# Altium PCB waffling60-MXHS-ISO.PcbDoc (part 2 of 2)
Units mm, origin at the board's own origin, x right, y up, seen from the top; angles counter-clockwise.
Board outline 284.73 x 94.2 mm, 2 copper layers (Component Side, Bottom Layer), stack 1.571 mm thick; 170 components, 111 nets, 1506 pads, 141 vias.
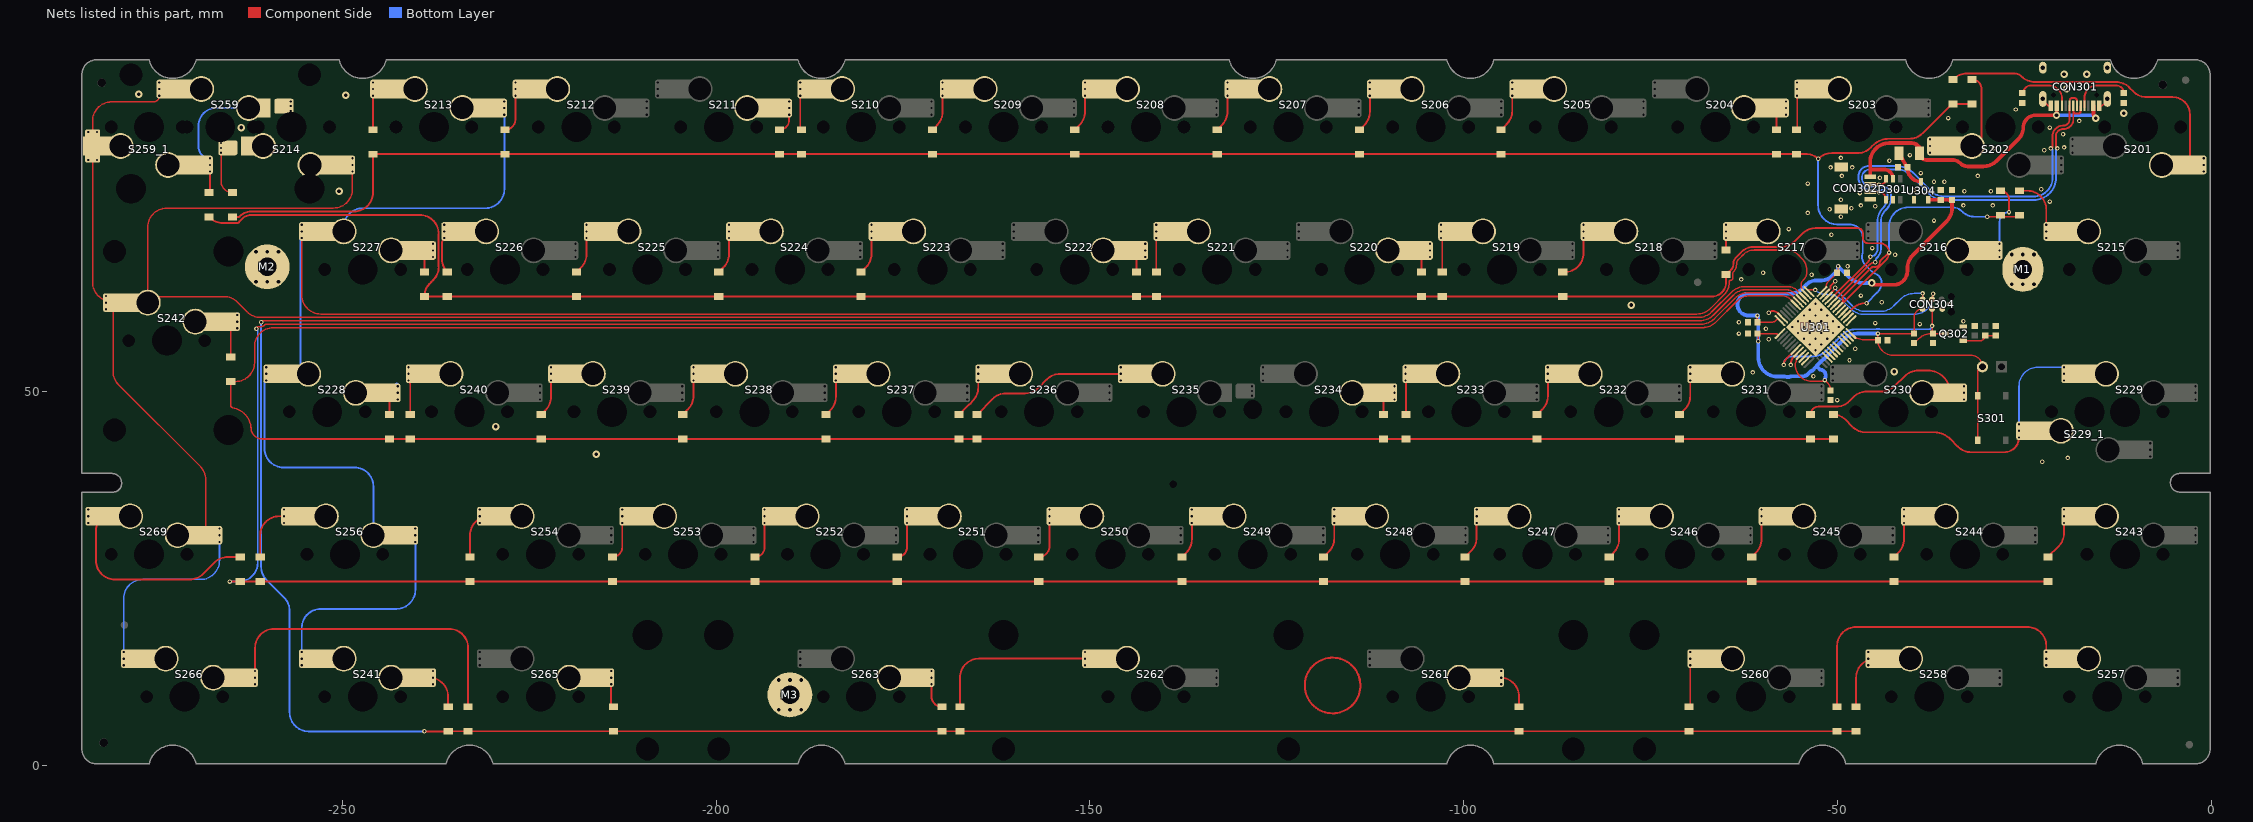
[diagram p2: the nets of this part, all layers, seen from the top]

## Via types
v1: diameter 0.6, hole 0.3, Component Side to Bottom Layer, tented both sides, 99 vias
v2: diameter 0.6, hole 0.3, Component Side to Bottom Layer, tented bottom, 25 vias
v3: diameter 1, hole 0.5, Component Side to Bottom Layer, tented both sides, 17 vias

## Nets (pads, with @x,y where several pads share a name; then routed paths per layer and width w, separated by ;. In a path a pad name is that pad's centre, name@x,y a point inside that pad or via, vN(x,y) a via of type N, cw(c..) or ccw(c..) an arc to the next point about the centre after c; other vN are vias at no path point) (continued)
col13: S213.2 S227.2 S228.2 S241.1 S256.2 U301.38 | length 347
  Component Side w0.203: S227.2@-255.597,71.443 -253.565,71.443 S227.2@-253.565,71.445 ; S227.2@-255.425,70.556 -255.425,62.939 ccw(c-252.885,62.939) -252.885,60.399 -68.796,60.399 ccw(c-68.796,62.939) -67,61.143 -65.024,63.119 cw(c-64.839,63.035) -64.997,63.163 ccw(c-66.813,64.646) -64.468,64.646 -64.468,64.717 cw(c-64.265,64.716) -64.275,64.919 ccw(c-64.287,65.22) -63.985,65.22 -63.985,65.907 ; -63.933,66.017 ccw(c-64.981,67.063) -63.929,66.021 ccw(c-64.981,67.063) -63.5,67.063 cw(c-62.598,67.063) -63.235,67.702 -63.052,67.885 -62.596,68.341 cw(c-61.101,66.85) -61.101,68.961 -56.79,68.961 cw(c-56.79,66.781) -55.249,68.322 -54.728,67.802 cw(c-56.24,66.29) -54.102,66.29 -54.102,65.944 cw(c-55.403,65.944) -54.483,65.024 -54.562,64.945 ccw(c-53.835,64.217) -54.864,64.217 ccw(c-53.771,64.217) -54.835,63.966 cw(c-55.033,63.92) -54.831,63.942 ccw(c-54.382,63.989) -54.746,63.722 cw(c-54.911,63.603) -54.745,63.72 -54.741,63.713 -54.736,63.702 cw(c-54.92,63.616) -54.72,63.651 -54.722,63.648 -54.723,63.647 -54.735,63.635 U301.38@-54.596,63.522
  Bottom Layer w0.254: S228.2@-260.162,51.506 ccw(c-260.162,51.264) -260.404,51.264 -260.404,42.418 ccw(c-257.864,42.418) -257.864,39.878 -248.385,39.878 cw(c-248.385,37.338) -245.845,37.338 S256.2@-245.845,30.805 ; S241.1@-255.424,15.184 -255.424,18.415 cw(c-252.884,18.415) -252.884,20.955 -242.775,20.955 ccw(c-242.775,23.495) -240.235,23.495 S256.2@-240.235,29.916 ; S227.2@-255.425,71.617 -255.597,71.445 -255.597,53.44 ccw(c-254.552,53.44) S228.2@-254.552,52.395 ; S227.2@-249.815,71.445 -249.815,72.009 cw(c-247.275,72.009) -247.275,74.549 -230.87,74.549 ccw(c-230.87,77.089) -228.33,77.089 S213.2@-228.33,87.066
  Bottom Layer w0.6: S228.2@-260.162,51.506 S228.2@-260.162,52.395 S228.2@-260.162,53.284 ; S241.1@-255.424,13.406 S241.1@-255.424,14.295 S241.1@-255.424,15.184 ; S227.2@-255.425,70.556 S227.2@-255.425,71.445 S227.2@-255.425,72.334 S227.2@-255.425,71.617 ; S256.2@-240.235,29.916 S256.2@-240.235,30.805 S256.2@-240.235,31.694 ; S213.2@-228.33,87.066 S213.2@-228.33,87.955 S213.2@-228.33,88.844
col14: S214.1 S242.2 S259.1 S259_1.2 S266.2 S269.2 U301.39 | length 379.1
  Component Side w0.203: S242.2@-279.731,62.992 -279.731,62.729 ccw(c-277.23,62.287) -279.77,62.287 S242.2@-279.77,62.103 ; S259.1@-274.475,89.606 cw(c-275.308,89.606) -275.308,88.773 -280.87,88.773 ccw(c-280.87,86.233) -283.41,86.233 S259_1.2@-283.41,83.835 S259_1.2@-283.41,82.875 S259_1.2@-283.41,81.915 -283.41,64.643 ccw(c-280.87,64.643) -280.87,62.103 S242.2@-279.77,62.103 ; S269.2@-268.29,30.805 -268.29,38.257 ccw(c-270.83,38.257) -269.034,40.053 -279.926,50.945 cw(c-278.13,52.741) -280.67,52.741 -280.67,61.02 cw(c-279.77,61.02) S242.2@-279.77,61.92 S242.2@-279.77,62.103 ; S214.1@-248.65,79.446 -248.65,77.108 cw(c-251.19,77.108) -251.19,74.568 -273.48,74.568 ccw(c-273.48,72.028) -276.02,72.028 S242.2@-276.02,61.92 cw(c-275.202,61.92) -275.202,62.738 -265.847,62.738 cw(c-265.847,60.198) -264.051,61.994 -262.746,60.689 ccw(c-260.95,62.485) -260.95,59.945 -68.608,59.945 ccw(c-68.608,62.485) -66.812,60.689 -64.181,63.319 cw(c-62.385,61.523) -62.385,64.063 -56.711,64.063 cw(c-56.711,62.035) -55.276,63.469 U301.39@-54.682,62.875
  Bottom Layer w0.203: S266.2@-279.237,15.184 -279.237,22.352 cw(c-276.697,22.352) -276.697,24.892 -268.97,24.892 ccw(c-268.97,27.432) -266.43,27.432 S269.2@-266.43,29.916
  Bottom Layer w0.6: S259_1.2@-283.999,81.015 S259_1.2@-282.821,81.015 ; S259_1.2@-283.999,84.735 S259_1.2@-282.821,84.735 ; S242.2@-281.63,61.031 S242.2@-281.63,61.92 S242.2@-281.63,62.809 ; S266.2@-279.237,13.406 S266.2@-279.237,14.295 S266.2@-279.237,15.184 ; S259.1@-274.475,89.606 S259.1@-274.475,90.495 S259.1@-274.475,91.384 ; S269.2@-266.43,29.916 S269.2@-266.43,30.805 S269.2@-266.43,31.694 ; S214.1@-248.65,79.446 S214.1@-248.65,80.335 S214.1@-248.65,81.224
D_N: CON301.A7 CON301.B7 CON302.2 D301.6 U301.32 | length 67.1
  Component Side w0.254: U301.32@-50.033,62.64 -45.649,67.024 cw(c-44.958,66.332) v1(-44.958,67.31) ; CON302.2@-45.625,77.75 -44.209,77.75 ccw(c-44.209,78.464) D301.6@-43.495,78.464 ; v1(-20.574,82.55) cw(c-20.574,82.766) -20.79,82.766 -20.79,84.163 cw(c-19.812,84.163) -19.812,85.141 -19.734,85.141 ccw(c-19.734,86.425) -18.45,86.425 CON301.A7@-18.45,88.25 ; CON301.A7@-18.427,87.525 ccw(c-18.1,87.525) -18.1,87.198 -17.8,87.198 ccw(c-17.8,87.525) -17.473,87.525 -17.473,88.144 cw(c-17.219,88.144) CON301.B7@-17.45,88.25
  Bottom Layer w0.254: v1(-44.958,67.31) ccw(c-45.054,67.406) -44.918,67.406 cw(c-44.149,67.406) -44.876,67.658 cw(c-44.149,67.406) -44.693,67.951 -44.628,68.015 ccw(c-45.672,69.059) -44.196,69.059 -44.196,72.747 cw(c-41.992,72.747) -43.551,74.305 -43.433,74.423 ccw(c-44.842,75.831) -42.926,75.286 ccw(c-44.766,75.787) -42.859,75.787 -42.859,76.012 -42.85,76.021 -42.85,76.352 ccw(c-43.942,76.352) -43.942,77.445 cw(c-43.942,77.894) v1@-44.26,77.576 ; v1(-44.45,77.724) cw(c-45.125,78.399) -44.639,77.577 cw(c-45.125,78.399) -45.125,77.445 -45.568,77.445 cw(c-45.568,78.613) -46.736,78.613 cw(c-45.593,78.613) -45.593,79.756 -42.073,79.756 cw(c-42.073,77.216) -40.277,79.012 -37.796,76.531 ccw(c-35.678,78.649) -37.793,76.528 ccw(c-35.678,78.649) -35.682,75.654 ccw(c-35.678,78.649) -35.678,75.654 -23.749,75.654 ccw(c-23.749,78.651) -20.752,78.651 v1@-20.752,82.423
D_P: CON301.A6 CON301.B6 CON302.3 D301.1 U301.33 | length 68.3
  Component Side w0.254: U301.33@-50.828,62.521 -50.816,62.521 -50.386,62.951 ccw(c-50.386,62.994) -50.356,62.964 -45.837,67.482 ccw(c-46.427,68.072) v1(-45.593,68.072) ; CON302.3@-45.625,76.75 -44.531,76.75 cw(c-44.531,75.714) D301.1@-43.495,75.714 ; v1(-21.463,82.55) ccw(c-21.463,82.766) -21.247,82.766 -21.247,84.163 cw(c-19.812,84.163) -19.812,85.598 ccw(c-19.812,86.46) -18.95,86.46 CON301.B6@-18.95,88.25 ccw(c-19.181,88.356) -18.927,88.354 ccw(c-19.181,88.356) -18.927,88.357 -18.927,88.975 cw(c-18.6,88.975) -18.6,89.302 -18.3,89.302 cw(c-18.3,88.975) -17.973,88.975 -17.973,88.356 ccw(c-17.719,88.356) CON301.A6@-17.95,88.25
  Bottom Layer w0.254: v1(-45.593,68.072) cw(c-45.497,67.976) -45.497,68.112 ccw(c-45.497,68.881) -45.288,68.141 ccw(c-45.497,68.881) -44.952,68.337 ccw(c-45.675,69.06) -44.923,68.368 ccw(c-45.675,69.06) -44.653,69.06 -44.653,72.748 cw(c-41.995,72.748) -43.875,74.627 ; v1(-44.45,76.708) ccw(c-45.125,76.033) -44.639,76.855 ccw(c-45.125,76.033) -45.125,76.987 -45.582,76.987 cw(c-45.582,78.599) -47.193,78.599 -47.193,78.802 cw(c-45.782,78.802) -45.782,80.213 -42.072,80.213 cw(c-42.072,77.219) -39.955,79.336 -37.473,76.855 ccw(c-35.677,78.651) -35.677,76.111 -23.749,76.111 ccw(c-23.749,78.651) -21.209,78.651 v1@-21.209,82.423 ; v1@-44.26,76.856 cw(c-43.942,76.538) -43.942,76.987 cw(c-43.942,76.371) -43.325,76.371 -43.325,76.074 -43.316,76.065 -43.316,75.977 cw(c-45.223,75.977) -43.325,75.791 cw(c-45.223,75.977) -43.875,74.628
GND: C301.1 C302.1 C303.1 C304.1 C305.1 C306.1 C307.1 C308.1 C310.2 CON301.A1B12 CON301.B1A12 CON301.S1 CON302.4 CON302.5 CON304.5 D301.2 M1.1 M2.1 M3.1 Q302.2 R304.2 R305.2 R307.2 R308.2 U301.8 U301.23 U301.35 U301.47 U304.1 | length 49.9
  Component Side w0.203: U301.47@-56.114,58.568 U301.47@-56.043,58.568
  Component Side w0.254: v1(-59.182,60.579) cw(c-58.641,60.038) -58.915,60.752 cw(c-58.641,60.038) -58.641,60.803 cw(c-58.641,59.9) -58.004,60.54 cw(c-58.641,59.9) -58.002,60.538 U301.47@-57.511,60.047 ; v1(-56.261,53.594) cw(c-54.652,53.594) -56.067,54.36 cw(c-54.652,53.594) -55.79,54.732 U301.8@-55.389,55.132 ; U301.47@-56.164,58.7 ccw(c-56.043,58.82) v2(-56.043,58.65) ; U301.35@-51.535,63.229 -51.535,63.241 -50.917,63.859 -50.917,64.176 -50.323,64.77 v1(-50.292,64.77) ; CON301.S1@-22.52,88.915 CON301.B1A12@-21.45,88 ; CON301.A1B12@-14.95,88 CON301.S1@-13.88,88.915
  Component Side w0.279: -113.815,10.842 ccw(c-117.533,10.705) -113.815,10.829
  Bottom Layer w0.203: v2@-56.043,58.568 v2@-54.488,60.123 ; v2@-51.376,57.012 v2@-54.488,60.123 ; v2@-50.599,57.79 v2@-53.71,60.901 ; v2@-49.821,58.568 -52.932,61.679 v2@-53.71,60.901 ; v2@-54.488,60.123 v2@-53.71,60.901
  other v1: -22.606,40.64 -19.177,41.148 -50.038,48.895 -53.213,52.07 -61.341,52.578 -48.387,54.229 -47.625,55.753 -59.182,57.023 -63.173,57.785 -59.563,58.42 -38.989,59.055 -44.958,59.182 -63.173,59.309 -33.147,59.436 -35.087,61.717 -44.069,61.976 -46.863,62.865 -62.865,65.024 -53.467,65.659 -59.944,65.913 -48.641,66.802 -42.291,68.326 -45.339,69.215 -50.8,70.993 -56.515,71.755 -37.084,72.898 -49.53,73.406 -53.975,73.914 -51.054,74.422 -48.133,74.549 -44.958,74.803 -46.863,74.93 -33.147,74.93 -29.21,74.93 -21.59,75.438 -49.53,75.692 -46.99,76.581 -42.164,76.835 -33.02,76.835 -29.464,76.835 -39.751,76.962 -22.733,77.089 -53.975,77.851 -37.084,78.105 -35.687,78.105 -44.323,78.613 -49.403,78.867 -31.242,78.867 -38.862,79.248 -50.927,80.01 -48.006,80.01 -43.053,80.899 -49.53,81.28 -40.306,81.661 -22.352,82.296 -29.083,82.55 -19.685,82.677 -19.812,84.455 -21.59,85.344 -17.653,86.233 -35.179,86.614 -26.162,87.757
  other v2: -52.932,55.539 -53.71,56.316 -52.154,56.316 -54.488,57.094 -52.932,57.094 -51.376,57.094 -55.265,57.872 -53.71,57.872 -52.154,57.872 -50.599,57.872 -54.488,58.65 -52.932,58.65 -51.376,58.65 -49.821,58.65 -55.265,59.428 -53.71,59.428 -52.154,59.428 -50.599,59.428 -54.488,60.206 -52.932,60.206 -51.376,60.206 -53.71,60.983 -52.154,60.983 -52.932,61.761
  other v3: -216.027,41.656 -229.489,45.339 -42.418,52.705 -77.597,61.595 -250.444,76.835 -263.525,85.344 -11.684,87.249 -249.555,89.662 -277.241,89.789 -19.304,90.551 -19.685,92.456 -16.637,92.456
LED: U301.29
NetC309_2: C309.2 Q302.1 R305.1 | length 4.7
  Component Side w0.203: Q302.1@-33.164,56.82 -33.158,56.814 -30.953,56.814 ccw(c-30.953,57.516) -30.251,57.516 C309.2@-30.226,57.516 R305.1@-28.829,57.516
NetCON301_A5: CON301.A5 R307.1 | length 8.2
  Component Side w0.254: CON301.A5@-16.95,88 -16.95,89.349 cw(c-15.313,89.349) -15.313,90.986 -12.739,90.986 cw(c-12.739,89.931) R307.1@-11.684,89.931
NetCON301_B5: CON301.B5 R308.1 | length 8.2
  Component Side w0.254: R308.1@-25.146,89.931 cw(c-24.091,89.931) -24.091,90.986 -21.771,90.986 cw(c-21.771,89.154) -19.939,89.154 -19.939,88 -19.95,88 CON301.B5@-19.95,88.138
NetD201_1: D201.1 S201.1 | length 42.7
  Component Side w0.254: D201.1@-34.544,91.779 -34.506,91.817 cw(c-32.71,90.021) -32.71,92.561 -26.267,92.561 cw(c-26.267,91.335) -25.4,92.202 -25.382,92.184 ccw(c-23.586,93.98) -23.588,91.44 ccw(c-23.586,93.98) -23.586,91.44 -23.241,91.44 -12.736,91.44 cw(c-12.736,88.9) -10.94,90.696 -10.396,90.152 ccw(c-8.6,91.948) -8.6,89.408 -5.146,89.408 cw(c-5.146,87.122) -2.86,87.122 S201.1@-2.86,80.335
  Bottom Layer w0.6: S201.1@-1,79.446 S201.1@-1,80.335 S201.1@-1,81.224
NetD202_1: D202.1 S202.1 | length 12.1
  Component Side w0.254: S202.1@-32.01,82.875 ccw(c-32.01,84.151) -30.734,84.151 -30.734,87.508 -30.734,90.509 ccw(c-32.004,90.509) D202.1@-32.004,91.779
  Bottom Layer w0.6: S202.1@-37.62,81.986 S202.1@-37.62,82.875 S202.1@-37.62,83.764
NetD203_1: D203.1 S203.1 | length 6.4
  Component Side w0.203: D203.1@-55.499,85.05 ccw(c-55.738,85.289) -55.4,85.289 S203.1@-55.4,89.606
  Bottom Layer w0.6: S203.1@-55.4,89.606 S203.1@-55.4,90.495 S203.1@-55.4,91.384
NetD204_1: D204.1 S204.1 | length 4.8
  Component Side w0.254: S204.1@-58.74,87.955 cw(c-60.126,86.569) -58.166,86.569 D204.1@-58.166,85.05
  Bottom Layer w0.6: S204.1@-56.88,87.066 S204.1@-56.88,87.955 S204.1@-56.88,88.844
NetD205_1: D205.1 S205.1 | length 6.8
  Component Side w0.254: D205.1@-94.996,85.05 -94.244,85.802 ccw(c-96.04,87.598) -93.5,87.598 S205.1@-93.5,89.606
  Bottom Layer w0.6: S205.1@-93.5,89.606 S205.1@-93.5,90.495 S205.1@-93.5,91.384
NetD206_1: D206.1 S206.1 | length 6.8
  Component Side w0.254: D206.1@-113.919,85.05 -113.294,85.675 ccw(c-115.09,87.471) -112.55,87.471 S206.1@-112.55,89.606
  Bottom Layer w0.6: S206.1@-112.55,89.606 S206.1@-112.55,90.495 S206.1@-112.55,91.384
NetD207_1: D207.1 S207.1 | length 6.8
  Component Side w0.254: D207.1@-132.969,85.05 -132.344,85.675 ccw(c-134.14,87.471) -131.6,87.471 S207.1@-131.6,89.606
  Bottom Layer w0.6: S207.1@-131.6,89.606 S207.1@-131.6,90.495 S207.1@-131.6,91.384
NetD208_1: D208.1 S208.1 | length 6.8
  Component Side w0.254: D208.1@-152.019,85.05 -151.394,85.675 ccw(c-153.19,87.471) -150.65,87.471 S208.1@-150.65,89.606
  Bottom Layer w0.6: S208.1@-150.65,89.606 S208.1@-150.65,90.495 S208.1@-150.65,91.384
NetD209_1: D209.1 S209.1 | length 6.8
  Component Side w0.254: D209.1@-171.069,85.05 -170.444,85.675 ccw(c-172.24,87.471) -169.7,87.471 S209.1@-169.7,89.606
  Bottom Layer w0.6: S209.1@-169.7,89.606 S209.1@-169.7,90.495 S209.1@-169.7,91.384
NetD210_1: D210.1 S210.1 | length 6.4
  Component Side w0.254: S210.1@-188.75,89.606 -188.75,85.205 ccw(c-188.595,85.205) D210.1@-188.595,85.05
  Bottom Layer w0.6: S210.1@-188.75,89.606 S210.1@-188.75,90.495 S210.1@-188.75,91.384
NetD211_1: D211.1 S211.1 | length 4.5
  Component Side w0.254: D211.1@-191.516,85.05 ccw(c-191.516,86.336) -190.23,86.336 S211.1@-190.23,87.066
  Bottom Layer w0.6: S211.1@-190.23,87.066 S211.1@-190.23,87.955 S211.1@-190.23,88.844
NetD212_1: D212.1 S212.1 | length 7.1
  Component Side w0.254: D212.1@-228.219,85.05 ccw(c-228.219,86.419) -226.85,86.419 S212.1@-226.85,89.606
  Bottom Layer w0.6: S212.1@-226.85,89.606 S212.1@-226.85,90.495 S212.1@-226.85,91.384
NetD213_1: D213.1 S213.1 | length 6.3
  Component Side w0.254: D213.1@-245.9,85.05 S213.1@-245.9,89.606
  Bottom Layer w0.6: S213.1@-245.9,89.606 S213.1@-245.9,90.495 S213.1@-245.9,91.384
NetD214_1: D214.1 S214.2 | length 8.3
  Component Side w0.203: S214.2@-266.22,81.986 -266.22,78.187 ccw(c-264.668,78.187) D214.1@-264.668,76.635
  Component Side w0.254: S214.2@-264.668,82.131 cw(c-263.616,82.131) S214.2@-264.36,82.875
  Bottom Layer w0.6: S214.2@-266.22,81.986 S214.2@-266.22,82.62 S214.2@-266.22,83.265
NetD215_1: D215.1 S215.1 | length 8.9
  Component Side w0.254: D215.1@-25.654,76.889 -24.602,76.889 cw(c-24.602,74.349) -22.062,74.349 S215.1@-22.062,72.334 ; S215.1@-20.258,71.501 S215.1@-20.202,71.445
  Bottom Layer w0.6: S215.1@-22.062,70.556 S215.1@-22.062,71.445 S215.1@-22.062,72.334
NetD216_1: D216.1 S216.1 | length 10.3
  Component Side w0.254: S216.1@-30.226,68.844 S216.1@-30.165,68.905 ; D216.1@-28.194,76.889 cw(c-28.194,75.746) -27.051,75.746 v1(-27.051,74.033)
  Bottom Layer w0.254: S216.1@-28.305,69.794 -28.305,72.779 cw(c-27.051,72.779) v1(-27.051,74.033)
  Bottom Layer w0.6: S216.1@-28.305,68.016 S216.1@-28.305,68.905 S216.1@-28.305,69.794
NetD217_1: D217.1 S217.1 | length 3.4
  Component Side w0.254: S217.1@-64.925,70.556 cw(c-64.925,70.528) -64.897,70.528 D217.1@-64.897,68.945
  Bottom Layer w0.6: S217.1@-64.925,70.556 S217.1@-64.925,71.445 S217.1@-64.925,72.334
NetD218_1: D218.1 S218.1 | length 8
  Component Side w0.254: D218.1@-86.741,66 -86.515,66 ccw(c-86.515,68.54) -83.975,68.54 S218.1@-83.975,70.556
  Bottom Layer w0.6: S218.1@-83.975,70.556 S218.1@-83.975,71.445 S218.1@-83.975,72.334
NetD219_1: D219.1 S219.1 | length 7.8
  Component Side w0.254: S219.1@-103.025,70.556 cw(c-103.025,70.401) -102.87,70.401 -102.87,68.688 D219.1@-102.87,66 ; S219.1@-102.126,70.484 S219.1@-101.165,71.445
  Bottom Layer w0.6: S219.1@-103.025,70.556 S219.1@-103.025,71.445 S219.1@-103.025,72.334
NetD220_1: D220.1 S220.1 | length 5.1
  Component Side w0.254: S220.1@-106.365,68.905 cw(c-106.365,68.712) -106.172,68.712 -106.172,68.072 cw(c-106.172,67.564) -105.664,67.564 D220.1@-105.664,66
  Bottom Layer w0.6: S220.1@-104.505,68.016 S220.1@-104.505,68.905 S220.1@-104.505,69.794
NetD221_1: D221.1 S221.1 | length 7.9
  Component Side w0.254: S221.1@-141.125,70.556 -141.125,66.068 ccw(c-141.029,66.068) D221.1@-141.097,66 ; S221.1@-140.353,70.357 S221.1@-139.265,71.445
  Bottom Layer w0.6: S221.1@-141.125,70.556 S221.1@-141.125,71.445 S221.1@-141.125,72.334
NetD222_1: D222.1 S222.1 | length 4.9
  Component Side w0.254: S222.1@-144.465,68.905 cw(c-146.157,67.213) -143.764,67.213 D222.1@-143.764,66
  Bottom Layer w0.6: S222.1@-142.605,68.016 S222.1@-142.605,68.905 S222.1@-142.605,69.794
NetD223_1: D223.1 S223.1 | length 6.8
  Component Side w0.254: D223.1@-180.594,66 -179.969,66.625 ccw(c-181.765,68.421) -179.225,68.421 S223.1@-179.225,70.556
  Bottom Layer w0.6: S223.1@-179.225,70.556 S223.1@-179.225,71.445 S223.1@-179.225,72.334
NetD224_1: D224.1 S224.1 | length 6.8
  Component Side w0.254: D224.1@-199.644,66 -199.019,66.625 ccw(c-200.815,68.421) -198.275,68.421 S224.1@-198.275,70.556
  Bottom Layer w0.6: S224.1@-198.275,70.556 S224.1@-198.275,71.445 S224.1@-198.275,72.334
NetD225_1: D225.1 S225.1 | length 6.8
  Component Side w0.254: D225.1@-218.694,66 -218.069,66.625 ccw(c-219.865,68.421) -217.325,68.421 S225.1@-217.325,70.556
  Bottom Layer w0.6: S225.1@-217.325,70.556 S225.1@-217.325,71.445 S225.1@-217.325,72.334
NetD226_1: D226.1 S226.1 | length 8
  Component Side w0.254: S226.1@-236.375,70.556 ccw(c-235.699,69.88) -236.655,69.88 -236.655,67.687 ccw(c-234.303,67.687) D226.1@-236.068,66.133 ; D226.1@-236.271,66.354 -236.271,66.352 D226.1@-236.068,66.133 ; S226.1@-235.222,70.738 S226.1@-234.515,71.445 ; D226.1@-236.068,66.133 ccw(c-234.303,67.687) D226.1@-235.988,66.046 ; D226.1@-236.068,66.133 D226.1@-235.988,66.046 ; D226.1@-235.988,66.046 ccw(c-234.303,67.687) D226.1@-235.984,66.042 ; D226.1@-235.988,66.046 D226.1@-235.984,66.042 ; D226.1@-235.984,66.042 ccw(c-234.303,67.687) D226.1@-235.966,66.024 D226.1@-235.984,66.042
  Bottom Layer w0.6: S226.1@-236.375,70.556 S226.1@-236.375,71.445 S226.1@-236.375,72.334
NetD227_1: D227.1 S227.1 | length 4.8
  Component Side w0.254: S227.1@-239.715,68.905 cw(c-241.407,67.213) -239.014,67.213 D227.1@-239.014,66.024
  Bottom Layer w0.6: S227.1@-237.855,68.016 S227.1@-237.855,68.905 S227.1@-237.855,69.794
NetD228_1: D228.1 S259.2 S259_1.1 | length 19.3
  Component Side w0.254: D228.1@-267.843,76.635 ccw(c-267.843,76.778) -267.7,76.778 S259_1.1@-267.7,79.446
  Bottom Layer w0.254: S259_1.1@-267.7,81.224 cw(c-267.7,82.764) -269.24,82.764 -269.24,85.598 cw(c-266.883,85.598) -266.883,87.955 S259.2@-262.515,87.955
  Bottom Layer w0.6: S259_1.1@-267.7,79.446 S259_1.1@-267.7,80.335 S259_1.1@-267.7,81.224 ; S259.2@-256.905,87.565 S259.2@-256.905,88.21 S259.2@-256.905,88.844
NetD229_1: D229.1 S229.1 S229_1.2 | length 43.7
  Component Side w0.254: D229.1@-50.546,46.95 cw(c-50.546,44.707) -48.961,46.294 ; -48.96,46.293 -47.988,45.321 ccw(c-46.192,47.117) -46.192,44.577 -36.993,44.577 cw(c-36.993,42.037) -36.374,44.5 ccw(c-36.312,44.747) -36.369,44.499 cw(c-37.047,41.583) -34.929,43.699 -33.884,42.654 ccw(c-32.088,44.45) -32.088,41.91 -27.69,41.91 ccw(c-27.69,43.886) S229_1.2@-25.714,43.886
  Bottom Layer w0.203: S229_1.2@-25.714,45.664 -25.714,50.744 cw(c-23.174,50.744) -23.174,53.284 S229.1@-19.681,53.284
  Bottom Layer w0.6: S229_1.2@-25.714,43.886 S229_1.2@-25.714,44.775 S229_1.2@-25.714,45.664 ; S229.1@-19.681,51.506 S229.1@-19.681,52.395 S229.1@-19.681,53.284
NetD230_1: D230.1 S230.1 | length 24.3
  Component Side w0.254: D230.1@-53.594,46.95 cw(c-52.538,46.95) -52.538,48.006 -50.201,48.006 ccw(c-50.201,50.546) -48.405,48.75 -47.861,49.294 cw(c-46.065,47.498) -46.065,50.038 -44.105,50.038 ccw(c-44.105,52.578) -42.309,50.782 -41.003,52.088 cw(c-39.207,50.292) -39.207,52.832 -37.904,52.832 cw(c-37.904,49.855) -35.147,50.978 S230.1@-34.927,49.855
  Bottom Layer w0.6: S230.1@-33.067,48.966 S230.1@-33.067,49.855 S230.1@-33.067,50.744
NetD231_1: D231.1 S231.1 | length 6.8
  Component Side w0.254: D231.1@-71.12,46.95 -70.431,47.639 ccw(c-72.227,49.435) -69.687,49.435 S231.1@-69.687,51.506
  Bottom Layer w0.6: S231.1@-69.687,51.506 S231.1@-69.687,52.395 S231.1@-69.687,53.284
NetD232_1: D232.1 S232.1 | length 6.8
  Component Side w0.254: D232.1@-90.17,46.95 -89.481,47.639 ccw(c-91.277,49.435) -88.737,49.435 S232.1@-88.737,51.506
  Bottom Layer w0.6: S232.1@-88.737,51.506 S232.1@-88.737,52.395 S232.1@-88.737,53.284
NetD233_1: D233.1 S233.1 | length 6.4
  Component Side w0.254: S233.1@-107.787,51.506 cw(c-108.007,51.286) -107.696,51.286 D233.1@-107.696,46.95
  Bottom Layer w0.6: S233.1@-107.787,51.506 S233.1@-107.787,52.395 S233.1@-107.787,53.284
NetD234_1: D234.1 S234.1 | length 4.8
  Component Side w0.254: S234.1@-111.127,49.855 cw(c-112.053,48.929) -110.744,48.929 D234.1@-110.744,46.95
  Bottom Layer w0.6: S234.1@-109.267,48.966 S234.1@-109.267,49.855 S234.1@-109.267,50.744
NetD235_1: D235.1 S235.1 | length 24.3
  Component Side w0.254: D235.1@-165.1,46.95 -163.01,49.04 cw(c-161.214,47.244) -161.214,49.784 -158.659,49.784 ccw(c-158.659,52.324) -156.863,50.528 -155.74,51.651 cw(c-153.944,49.855) -153.944,52.395 S235.1@-144.481,52.395
  Bottom Layer w0.6: S235.1@-145.887,51.506 S235.1@-145.887,52.395 S235.1@-145.887,53.284
NetD236_1: D236.1 S236.1 | length 7.7
  Component Side w0.254: D236.1@-167.513,46.95 -167.03,47.278 -167.156,47.278 cw(c-166.92,47.184) -167.1,47.363 -166.19,48.273 cw(c-166.011,48.093) -166.11,48.327 ccw(c-166.354,48.918) -165.764,48.673 cw(c-165.53,48.574) -165.71,48.753 -165.681,48.782 ccw(c-167.477,50.578) -164.937,50.578 S236.1@-164.937,51.506 ; S236.1@-163.195,52.395 S236.1@-163.077,52.395
  Bottom Layer w0.6: S236.1@-164.937,51.506 S236.1@-164.937,52.395 S236.1@-164.937,53.284
NetD237_1: D237.1 S237.1 | length 7.4
  Component Side w0.254: D237.1@-185.293,46.95 -184.731,47.512 ccw(c-186.527,49.308) -183.987,49.308 S237.1@-183.987,51.506 ; S237.1@-182.753,52.395 S237.1@-182.127,52.395
  Bottom Layer w0.6: S237.1@-183.987,51.506 S237.1@-183.987,52.395 S237.1@-183.987,53.284
NetD238_1: D238.1 S238.1 | length 7.6
  Component Side w0.254: D238.1@-204.47,46.95 -203.781,47.639 ccw(c-205.577,49.435) -203.037,49.435 S238.1@-203.037,51.506 ; S238.1@-201.93,52.395 S238.1@-201.177,52.395
  Bottom Layer w0.6: S238.1@-203.037,51.506 S238.1@-203.037,52.395 S238.1@-203.037,53.284
NetD239_1: D239.1 S239.1 | length 7.4
  Component Side w0.254: D239.1@-223.393,46.95 -222.831,47.512 ccw(c-224.627,49.308) -222.087,49.308 S239.1@-222.087,51.506 ; S239.1@-220.853,52.395 S239.1@-220.227,52.395
  Bottom Layer w0.6: S239.1@-222.087,51.506 S239.1@-222.087,52.395 S239.1@-222.087,53.284
NetD240_1: D240.1 S240.1 | length 7.7
  Component Side w0.254: S240.1@-241.137,51.506 cw(c-241.663,50.98) -240.919,50.98 D240.1@-240.919,46.95 ; S240.1@-240.175,51.497 S240.1@-239.277,52.395
  Bottom Layer w0.6: S240.1@-241.137,51.506 S240.1@-241.137,52.395 S240.1@-241.137,53.284
NetD241_1: D241.1 S242.1 | length 7.1
  Component Side w0.254: S242.1@-265.92,59.38 cw(c-265.92,58.382) -264.922,58.382 D241.1@-264.922,54.635
  Bottom Layer w0.6: S242.1@-264.06,58.491 S242.1@-264.06,59.38 S242.1@-264.06,60.269
NetD242_1: D242.1 S228.1 | length 5.1
  Component Side w0.254: S228.1@-244.452,49.855 cw(c-244.452,49.116) -243.713,49.116 D242.1@-243.713,46.95
  Bottom Layer w0.6: S228.1@-242.697,49.149 -242.697,50.038 S228.1@-242.697,50.927
NetD243_1: D243.1 S243.1 | length 8.6
  Component Side w0.254: D243.1@-21.844,27.9 -20.425,29.319 ccw(c-22.221,31.115) -19.681,31.115 S243.1@-19.681,32.456 ; S243.1@-19.304,33.345 S243.1@-17.821,33.345
  Bottom Layer w0.6: S243.1@-19.681,32.456 S243.1@-19.681,33.345 S243.1@-19.681,34.234
NetD244_1: D244.1 S244.2 | length 6.8
  Component Side w0.254: D244.1@-42.418,27.9 -41.854,28.464 ccw(c-43.65,30.26) -41.11,30.26 S244.2@-41.11,32.456
  Bottom Layer w0.6: S244.2@-41.11,32.456 S244.2@-41.11,33.345 S244.2@-41.11,34.234
NetD245_1: D245.1 S245.1 | length 6.8
  Component Side w0.254: D245.1@-61.468,27.9 -60.906,28.462 ccw(c-62.702,30.258) -60.162,30.258 S245.1@-60.162,32.456
  Bottom Layer w0.6: S245.1@-60.162,32.456 S245.1@-60.162,33.345 S245.1@-60.162,34.234
NetD246_1: D246.1 S246.1 | length 6.8
  Component Side w0.254: D246.1@-80.518,27.9 -79.956,28.462 ccw(c-81.752,30.258) -79.212,30.258 S246.1@-79.212,32.456
  Bottom Layer w0.6: S246.1@-79.212,32.456 S246.1@-79.212,33.345 S246.1@-79.212,34.234
NetD247_1: D247.1 S247.1 | length 6.9
  Component Side w0.254: D247.1@-99.822,27.9 -99.006,28.716 ccw(c-100.802,30.512) -98.262,30.512 S247.1@-98.262,32.456
  Bottom Layer w0.6: S247.1@-98.262,32.456 S247.1@-98.262,33.345 S247.1@-98.262,34.234
NetD248_1: D248.1 S248.1 | length 6.8
  Component Side w0.254: D248.1@-118.745,27.9 -118.056,28.589 ccw(c-119.852,30.385) -117.312,30.385 S248.1@-117.312,32.456
  Bottom Layer w0.6: S248.1@-117.312,32.456 S248.1@-117.312,33.345 S248.1@-117.312,34.234
NetD249_1: D249.1 S249.1 | length 6.8
  Component Side w0.254: D249.1@-137.668,27.9 -137.106,28.462 ccw(c-138.902,30.258) -136.362,30.258 S249.1@-136.362,32.456
  Bottom Layer w0.6: S249.1@-136.362,32.456 S249.1@-136.362,33.345 S249.1@-136.362,34.234
NetD250_1: D250.1 S250.1 | length 7.9
  Component Side w0.254: D250.1@-156.845,27.9 ccw(c-156.845,29.333) -155.412,29.333 S250.1@-155.412,32.456 ; S250.1@-154.305,33.345 S250.1@-153.552,33.345
  Bottom Layer w0.6: S250.1@-155.412,32.456 S250.1@-155.412,33.345 S250.1@-155.412,34.234
NetD251_1: D251.1 S251.1 | length 7.7
  Component Side w0.254: D251.1@-175.768,27.9 ccw(c-175.768,29.206) -174.462,29.206 S251.1@-174.462,32.456 ; S251.1@-173.228,33.345 S251.1@-172.602,33.345
  Bottom Layer w0.6: S251.1@-174.462,32.456 S251.1@-174.462,33.345 S251.1@-174.462,34.234
NetD252_1: D252.1 S252.1 | length 7.7
  Component Side w0.254: D252.1@-194.818,27.9 ccw(c-194.818,29.206) -193.512,29.206 S252.1@-193.512,32.456 ; S252.1@-192.278,33.345 S252.1@-191.652,33.345
  Bottom Layer w0.6: S252.1@-193.512,32.456 S252.1@-193.512,33.345 S252.1@-193.512,34.234
NetD253_1: D253.1 S253.1 | length 7.7
  Component Side w0.254: D253.1@-213.868,27.9 ccw(c-213.868,29.206) -212.562,29.206 S253.1@-212.562,32.456 ; S253.1@-211.328,33.345 S253.1@-210.702,33.345
  Bottom Layer w0.6: S253.1@-212.562,32.456 S253.1@-212.562,33.345 S253.1@-212.562,34.234
NetD254_1: D254.1 S254.1 | length 9.3
  Component Side w0.254: D254.1@-232.918,27.9 -232.918,30.805 cw(c-230.378,30.805) -230.378,33.345 S254.1@-229.752,33.345
  Bottom Layer w0.6: S254.1@-231.612,32.456 S254.1@-231.612,33.345 S254.1@-231.612,34.234
NetD255_1: D255.1 S256.1 | length 11.2
  Component Side w0.254: D255.1@-260.985,27.9 -260.985,30.805 cw(c-258.445,30.805) -258.445,33.345 S256.1@-255.945,33.345
  Bottom Layer w0.6: S256.1@-257.805,32.456 S256.1@-257.805,33.345 S256.1@-257.805,34.234
NetD256_1: D256.1 S269.1 | length 29.7
  Component Side w0.254: S269.1@-282.14,33.345 -282.212,33.273 ccw(c-280.416,31.477) -282.956,31.477 -282.956,27.432 ccw(c-280.416,27.432) -280.416,24.892 -270.419,24.892 ccw(c-270.419,27.432) -268.623,25.636 -267.103,27.156 cw(c-265.307,25.36) -265.307,27.9 D256.1@-263.652,27.9
  Bottom Layer w0.6: S269.1@-284,32.456 S269.1@-284,33.345 S269.1@-284,34.234
NetD257_1: D257.1 S257.2 | length 41.6
  Component Side w0.254: D257.1@-50.038,7.85 -50.038,16.002 cw(c-47.498,16.002) -47.498,18.542 -24.602,18.542 cw(c-24.602,16.002) -22.062,16.002 S257.2@-22.062,15.184
  Bottom Layer w0.6: S257.2@-22.062,13.406 S257.2@-22.062,14.295 S257.2@-22.062,15.184
NetD258_1: D258.1 S258.1 | length 10.6
  Component Side w0.254: D258.1@-47.498,7.85 -47.498,11.755 cw(c-44.958,11.755) -44.958,14.295 S258.1@-44.014,14.295
  Bottom Layer w0.6: S258.1@-45.874,13.406 S258.1@-45.874,14.295 S258.1@-45.874,15.184
NetD260_1: D260.1 S260.1 | length 7.4
  Component Side w0.203: D260.1@-69.85,7.85 ccw(c-69.85,8.013) -69.687,8.013 -69.687,12.115 S260.1@-69.687,13.406
  Bottom Layer w0.6: S260.1@-69.687,13.406 S260.1@-69.687,14.295 S260.1@-69.687,15.184
NetD261_1: D261.1 S261.1 | length 8.8
  Component Side w0.254: S261.1@-96.839,11.755 -95.123,11.755 cw(c-95.123,9.215) -92.583,9.215 D261.1@-92.583,7.85
  Bottom Layer w0.6: S261.1@-94.979,10.866 S261.1@-94.979,11.755 S261.1@-94.979,12.644
NetD262_1: D262.1 S262.2 | length 25.7
  Component Side w0.254: D262.1@-167.386,7.858 -167.386,11.755 cw(c-164.846,11.755) -164.846,14.295 S262.2@-148.789,14.295
  Bottom Layer w0.6: S262.2@-150.649,13.406 S262.2@-150.649,14.295 S262.2@-150.649,15.184
NetD263_1: D263.1 S263.1 | length 6.3
  Component Side w0.254: S263.1@-173.039,11.755 S263.1@-172.339,11.755 ; S263.1@-171.179,10.866 -171.179,9.23 ccw(c-169.799,9.23) D263.1@-169.799,7.85
  Bottom Layer w0.6: S263.1@-171.179,10.866 S263.1@-171.179,11.755 S263.1@-171.179,12.644
NetD264_1: D264.1 S265.1 | length 5
  Component Side w0.254: S265.1@-214.042,10.866 -214.042,9.741 -214.042,8.151 ccw(c-213.741,8.151) D264.1@-213.741,7.85
  Bottom Layer w0.6: S265.1@-214.042,10.866 S265.1@-214.042,11.755 S265.1@-214.042,12.644
NetD265_1: D265.1 S241.2 | length 8.5
  Component Side w0.254: S241.2@-239.714,11.755 -238.379,11.755 cw(c-238.379,9.215) -235.839,9.215 D265.1@-235.839,7.85
  Bottom Layer w0.6: S241.2@-237.854,10.866 S241.2@-237.854,11.755 S241.2@-237.854,12.644
NetD266_1: D266.1 S266.1 | length 44.2
  Component Side w0.254: S266.1@-261.667,12.644 -261.667,15.748 cw(c-259.127,15.748) -259.127,18.288 -235.712,18.288 cw(c-235.712,15.748) -233.172,15.748 D266.1@-233.172,7.85
  Bottom Layer w0.6: S266.1@-261.667,10.866 S266.1@-261.667,11.755 S266.1@-261.667,12.644
NRST: C310.1 CON304.3 Q302.3 R303.2 U301.7 | length 33
  Component Side w0.203: R303.2@-39.751,56.5 -39.726,56.5 -39.17,57.056 cw(c-37.374,55.26) -37.763,57.77 ; CON304.3@-37.338,61.087 v1(-37.338,58.801) -37.338,57.927 C310.1@-37.211,57.8 -37.374,57.8 ccw(c-37.374,55.26) -37.763,57.77 ; Q302.3@-35.564,57.77 -37.763,57.77
  Component Side w0.254: v1(-57.195,53.594) cw(c-56.135,53.594) -56.885,54.344 U301.7@-55.743,55.486
  Bottom Layer w0.254: v1(-57.195,53.594) cw(c-56.052,53.594) -56.052,54.737 -53.303,54.737 ccw(c-53.303,57.277) -51.507,55.481 -49.37,57.618 cw(c-47.574,55.822) -47.574,58.362 -44.868,58.362 ccw(c-44.87,58.616) -44.786,58.376 cw(c-44.577,57.785) -44.577,58.412 cw(c-44.577,57.785) -44.374,58.378 ccw(c-44.293,58.619) -44.294,58.365 -43.218,58.365 cw(c-43.218,58.111) -43.18,58.362 -37.777,58.362 ccw(c-37.777,58.801) v1(-37.338,58.801)
PA0: U301.10
PA1: U301.11
PA5: U301.15
PA6: U301.16
PA7: U301.17
PA9: D215.2 D216.2 D217.2 D218.2 D219.2 D220.2 D221.2 D222.2 D223.2 D224.2 D225.2 D226.2 D227.2 D228.2 U301.30 | length 287.7
  Component Side w0.254: D228.2@-267.843,73.365 -267.805,73.327 ccw(c-266.009,75.123) -266.009,72.583 -264.058,72.583 ccw(c-264.058,72.91) -263.764,72.767 cw(c-263.536,72.655) -263.717,72.833 -263.38,73.17 cw(c-262.197,71.987) -262.197,73.66 -239.649,73.66 cw(c-239.649,71.12) -237.109,71.12 -237.109,66.726 cw(c-239.649,66.726) -237.853,64.93 -238.076,64.708 cw(c-240.03,66.33) -238.234,64.534 -238.379,64.389 ccw(c-236.846,62.856) -238.38,64.388 ccw(c-236.846,62.856) -239.014,62.856 D227.2@-239.014,62.754 D226.2@-235.966,62.754 ; D226.2@-235.966,62.73 D225.2@-218.694,62.73 D224.2@-199.644,62.73 D223.2@-180.594,62.73 D222.2@-143.764,62.73 D221.2@-141.097,62.73 D220.2@-105.664,62.73 D219.2@-102.87,62.73 D218.2@-86.741,62.73 -66.813,62.73 ccw(c-66.813,64.646) -65.459,63.29 ccw(c-66.813,64.646) -65.458,63.291 ccw(c-66.813,64.646) -65.457,63.292 ccw(c-66.813,64.646) -64.897,64.646 D217.2@-64.897,65.675 -64.414,66.003 -64.525,66.003 cw(c-64.29,65.907) -64.471,66.085 -64.237,66.319 ccw(c-64.981,67.063) -63.929,67.063 cw(c-62.598,67.063) -63.539,68.004 -62.897,68.646 cw(c-61.101,66.85) -61.101,69.39 -57.52,69.39 ccw(c-57.52,71.93) -55.723,70.134 -54.719,71.138 cw(c-52.923,69.342) -52.923,71.882 -47.296,71.882 cw(c-47.296,71.163) -46.577,71.163 -46.577,70.508 ccw(c-45.938,70.508) -46.522,70.248 ccw(c-45.938,70.508) -46.401,70.067 ; U301.30@-49.768,61.461 U301.30@-49.751,61.477 ; -46.522,70.247 ccw(c-45.938,70.508) -45.938,69.868 -44.341,69.868 cw(c-44.341,68.62) v1(-43.093,68.62) ; v1(-29.972,73.406) -25.867,73.406 D215.2@-25.654,73.619 ; U301.30@-49.751,61.477 -49.748,61.48 U301.30@-49.741,61.473 ; U301.30@-49.751,61.477 -49.745,61.471 ccw(c-49.856,61.699) U301.30@-49.741,61.473 ; U301.30@-49.741,61.473 ccw(c-49.856,61.699) U301.30@-49.678,61.518 ; U301.30@-49.741,61.473 ccw(c-49.856,61.699) U301.30@-49.678,61.518 ; U301.30@-49.678,61.518 U301.30@-49.415,61.781 ; U301.30@-49.415,61.781 ccw(c-49.595,61.96) -49.365,61.853 -49.321,61.947 cw(c-49.091,61.84) -49.308,61.972 ccw(c-49.715,62.221) -49.28,62.416 cw(c-49.047,62.519) -49.301,62.518 -49.301,62.624 cw(c-49.047,62.624) -49.227,62.804 -45.386,66.645 cw(c-45.207,66.465) -45.136,66.709 ccw(c-44.958,67.31) -44.331,67.321 cw(c-44.077,67.324) -44.258,67.502 -43.205,68.555 cw(c-43.026,68.375) v1(-43.093,68.62) ; U301.30@-49.415,61.781 -49.344,61.852 cw(c-49.008,61.514) -49.225,61.939 ccw(c-49.342,62.164) -49.163,61.984 -43.493,67.653 ccw(c-44.46,68.62) -43.093,68.58 ccw(c-44.46,68.62) v1(-43.093,68.62)
  Bottom Layer w0.254: v1(-43.093,68.62) -43.093,72.136 cw(c-40.553,72.136) -40.553,74.676 -34.627,74.676 cw(c-34.627,72.942) -33.401,74.168 -33.383,74.15 ccw(c-31.587,75.946) -31.587,73.406 v1(-29.972,73.406)
PA10: U301.31
PB0: U301.18
PB1: U301.19
PB4: D257.2 D258.2 D260.2 D261.2 D262.2 D263.2 D264.2 D265.2 D266.2 U301.40 | length 472.4
  Component Side w0.203: v1(-260.858,59.309) cw(c-260.676,59.309) -260.676,59.491 -257.683,59.491 -70.993,59.491 -68.42,59.491 ccw(c-68.42,62.031) -66.623,60.235 -63.943,62.916 cw(c-62.147,61.12) -62.147,63.66 -56.98,63.66 cw(c-56.98,61.716) -55.605,63.091 U301.40@-55.036,62.521
  Component Side w0.254: v1@-239.014,4.572 v1(-239.014,4.578) D265.2@-235.837,4.578 ; D265.2@-235.839,4.58 D266.2@-233.172,4.58 D264.2@-213.741,4.58 D257.2@-50.038,4.58 D258.2@-47.498,4.58
  Bottom Layer w0.254: v1(-260.858,59.309) -260.858,26.579 ccw(c-258.318,26.579) -260.114,24.783 -257.792,22.461 cw(c-259.588,20.665) -257.048,20.665 -257.048,7.112 ccw(c-254.508,7.112) -254.508,4.572 v1@-239.014,4.572
PB5: D243.2 D244.2 D245.2 D246.2 D247.2 D248.2 D249.2 D250.2 D251.2 D252.2 D253.2 D254.2 D255.2 D256.2 U301.41 | length 488
  Component Side w0.203: v1(-261.493,58.42) cw(c-261.206,58.42) -261.206,58.707 -260.858,58.707 ccw(c-260.858,59.309) -260.372,58.955 cw(c-260.208,58.834) -260.209,59.037 -68.231,59.037 ccw(c-68.231,61.577) -66.435,59.781 -63.704,62.513 cw(c-61.908,60.717) -61.908,63.257 -57.249,63.257 cw(c-57.249,61.398) -55.934,62.712 U301.41@-55.389,62.168
  Component Side w0.254: v1@-265.049,24.638 -263.66,24.638 D256.2@-263.652,24.63 ; D256.2@-263.65,24.63 D255.2@-260.985,24.63 D254.2@-232.918,24.63 D253.2@-213.868,24.63 D252.2@-194.818,24.63 D251.2@-175.768,24.63 D250.2@-156.845,24.63 D249.2@-137.668,24.63 D248.2@-118.745,24.63 D247.2@-99.822,24.63 D246.2@-80.518,24.63 D245.2@-61.468,24.63 D244.2@-42.418,24.63 D243.2@-21.844,24.63
  Bottom Layer w0.254: v1(-265.052,24.604) -263.852,24.604 ccw(c-263.852,27.144) -263.648,24.612 ccw(c-263.852,27.144) -261.312,27.144 -261.312,58.239 ccw(c-261.493,58.239) v1(-261.493,58.42)
PB6: D229.2 D230.2 D231.2 D232.2 D233.2 D234.2 D235.2 D236.2 D237.2 D238.2 D239.2 D240.2 D241.2 D242.2 U301.42 | length 436.3
  Component Side w0.203: D241.2@-264.922,51.364 -264.922,48.137 ccw(c-264.668,48.137) -264.711,47.887 cw(c-265.225,44.902) -262.198,45.005 ; D241.2@-264.922,51.365 -264.287,51.365 ccw(c-264.287,53.905) -261.747,53.905 -261.747,56.017 ccw(c-264.278,56.233) -261.738,56.233 -261.738,56.26 cw(c-259.207,56.043) -259.207,58.583 -68.043,58.583 ccw(c-68.043,61.123) -66.247,59.327 -63.465,62.11 cw(c-61.669,60.314) -61.669,62.854 -57.517,62.854 cw(c-57.517,61.079) -56.263,62.334 U301.42@-55.743,61.814 ; -262.212,45.216 cw(c-265.225,44.902) -262.198,45.005 ; D242.2@-243.713,43.68 -260.676,43.68 cw(c-260.676,45.216) -262.198,45.005 ; D242.2@-243.669,43.68 D240.2@-240.919,43.68 D239.2@-223.393,43.68 D238.2@-204.47,43.68 D237.2@-185.293,43.68 D236.2@-167.513,43.68 D235.2@-165.1,43.68 D234.2@-110.744,43.68 D233.2@-107.696,43.68 D232.2@-90.17,43.68 D231.2@-71.12,43.68 D230.2@-53.594,43.68 D229.2@-50.546,43.68
PB10: U301.21
PB11: U301.22
PB12: U301.25
PB13: U301.26
PB14: D201.2 D202.2 D203.2 D204.2 D205.2 D206.2 D207.2 D208.2 D209.2 D210.2 D211.2 D212.2 D213.2 D214.2 U301.27 | length 271.1
  Component Side w0.254: D214.2@-264.668,73.365 -263.932,73.365 ccw(c-263.932,73.619) -263.753,73.439 -263.702,73.49 cw(c-262.197,71.987) -263.701,73.491 cw(c-262.197,71.987) -262.197,74.114 -248.44,74.114 ccw(c-248.44,76.654) -245.9,76.654 D213.2@-245.9,81.78 D212.2@-228.219,81.78 D211.2@-191.516,81.78 D210.2@-188.595,81.78 D209.2@-171.069,81.78 D208.2@-152.019,81.78 D207.2@-132.969,81.78 D206.2@-113.919,81.78 D205.2@-94.996,81.78 D204.2@-58.166,81.78 D203.2@-55.499,81.78 -54.092,81.78 cw(c-54.092,79.639) -52.775,81.327 cw(c-54.092,79.639) v1(-52.578,81.153) -52.56,81.171 cw(c-50.764,79.375) -52.179,81.484 cw(c-50.764,79.375) -50.764,81.915 -47.355,81.915 ccw(c-47.355,84.455) -45.559,82.659 -45.313,82.905 cw(c-43.085,80.725) -43.085,83.842 -40.4,83.842 ccw(c-40.4,86.382) -38.604,84.586 -34.778,88.412 cw(c-34.544,88.178) D201.2@-34.544,88.509 D202.2@-32.004,88.509 ; U301.27@-48.707,60.4 -48.002,61.105 cw(c-46.206,59.309) -46.206,61.849 v1(-46.101,61.849)
  Bottom Layer w0.254: v1(-52.578,81.153) -52.578,74.93 ccw(c-50.038,74.93) -50.785,72.502 ccw(c-50.038,74.93) -50.038,72.39 -48.387,72.39 cw(c-48.387,70.612) -46.609,70.612 -46.609,68.625 cw(c-46.863,68.627) -46.63,68.526 ccw(c-45.593,68.072) -46.725,68.072 ccw(c-45.165,68.072) -46.268,66.969 -45.72,66.421 -45.211,65.912 ccw(c-45.033,66.093) -45.097,65.847 cw(c-45.421,64.556) -44.9,65.781 -44.898,65.78 cw(c-45.421,64.556) -44.269,65.224 -44.268,65.222 cw(c-45.421,64.556) -44.176,64.084 ; v1(-46.101,61.849) -44.646,63.304 ccw(c-45.984,64.641) -44.18,64.072 cw(c-43.938,63.994) -44.176,64.082 cw(c-43.938,63.994) -44.176,64.084 ; -44.092,64.641 cw(c-45.421,64.556) -44.176,64.084
PB15: U301.28
RAW: CON301.A4B9 CON301.B4A9 CON302.1 D301.5 F301.2 | length 45.9
  Component Side w0.254: CON302.1@-45.625,78.75 CON302.1@-45.617,78.758
  Component Side w0.5: CON302.1@-45.625,78.75 -45.625,79.738 ; D301.5@-42.545,78.464 ccw(c-43.819,78.464) -43.819,79.738 -45.625,79.738 ; F301.2@-39.036,81.915 ccw(c-38.132,81.915) -38.519,81.098 ccw(c-38.132,81.915) -38.132,81.011 -34.639,81.011 cw(c-34.639,79.519) -33.585,80.575 ; F301.2@-38.82,81.999 ccw(c-40.086,81.999) -40.086,83.265 -43.085,83.265 ccw(c-43.085,80.725) -45.625,80.725 -45.625,79.738 ; -33.583,80.573 ccw(c-32.529,81.629) -32.529,80.137 -30.516,80.137 ccw(c-30.516,82.677) -28.72,80.881 -25.775,83.826 ccw(c-27.292,85.344) -25.146,85.344 cw(c-23.499,85.344) -23.499,86.991 v3(-20.697,86.991) -20.828,87.122 -20.774,87.122 -20.674,87.222 -20.674,88.226 CON301.B4A9@-20.65,88.25 ; CON301.A4B9@-15.75,88.25 -15.75,87.276 ccw(c-14.758,87.276) v3(-15.46,86.575)
  Bottom Layer w0.5: v3(-20.697,86.991) -15.876,86.991 cw(c-15.876,86.575) v3(-15.46,86.575)
SWCLK: CON304.4 U301.37 | length 20.3
  Component Side w0.203: U301.37@-53.975,63.582 -53.975,63.627 v1(-52.959,63.627) ; CON304.4@-37.338,62.357 -37.274,62.42 -37.274,63.055 v1(-37.211,63.119)
  Bottom Layer w0.203: v1(-52.959,63.627) ccw(c-51.48,65.106) -51.48,63.014 -51.342,63.014 cw(c-51.342,60.071) -49.26,62.152 -48.863,61.754 -48.199,61.091 ccw(c-46.403,62.887) -46.403,60.347 -39.751,60.347 ccw(c-39.751,62.887) -37.211,62.887 v1(-37.211,63.119)
SWDIO: CON304.2 U301.34 | length 16
  Component Side w0.203: U301.34@-51.182,62.875 -51.182,62.901 -50.495,63.588 -50.495,63.604 -50.29,63.809 v1(-50.29,63.916) ; CON304.2@-38.608,62.357 v1(-38.609,63.152)
  Bottom Layer w0.203: v1(-50.29,63.916) -50.29,63.809 -50.148,63.666 -50.148,63.61 -48.032,61.494 ccw(c-46.236,63.29) -46.236,60.75 -44.25,60.75 ccw(c-44.25,63.29) -42.454,61.494 -41.54,62.408 cw(c-39.744,60.612) -41.42,62.521 cw(c-39.744,60.612) -39.744,63.152 v1(-38.609,63.152)
VCC: C307.2 F301.1 U304.3 | length 5.2
  Component Side w0.5: F301.1@-41.736,81.915 -41.386,81.265 -40.775,80.185 C307.2@-40.625,80.01 -40.625,79.916 ccw(c-38.801,79.916) U304.3@-38.801,78.092
VCC3V3: C301.2 C302.2 C303.2 C304.2 C305.2 C306.2 C308.2 CON303.2 CON304.1 R303.1 S301.1 U301.1 U301.9 U301.24 U301.36 U301.48 U304.2 | length 133.1
  Component Side w0.203: v1(-60.706,60.198) -60.706,59.324 C304.2@-60.691,59.309 -58.78,59.309 ccw(c-58.78,60.037) -58.265,59.522 -58.052,59.736 -57.989,59.736 U301.48@-57.685,59.432 ; v1(-60.579,56.769) -60.579,57.673 C305.2@-60.691,57.785 -58.308,57.785 cw(c-58.308,57.341) U301.1@-57.995,57.655 ; U301.9@-55.206,54.608 -55.442,54.372 -55.436,54.309 cw(c-55.605,54.421) -55.444,54.297 ccw(c-55.089,54.018) -55.529,54.117 cw(c-55.728,54.162) -55.537,54.092 ccw(c-54.191,53.594) -55.626,53.594 ccw(c-53.439,53.594) -53.439,51.407 -52.577,51.407 -52.006,51.407 -51.952,51.407 -51.796,51.562 v1(-51.689,51.562) -51.365,51.238 cw(c-52.424,50.18) C302.2@-50.927,50.18 ; U301.36@-51.889,63.582 -51.482,63.989 -51.482,64.224 cw(c-50.915,64.224) -51.316,64.625 -50.053,65.888 C303.2@-50.053,65.913 ccw(c-50.053,66.055) -49.911,66.055 v1(-49.911,66.802) ; U301.24@-48,57.607 ccw(c-46.389,59.218) -46.389,56.94 -44.675,56.94 C301.2@-44.592,57.023 ; CON304.1@-38.608,61.087 ccw(c-38.608,59.944) -39.751,59.944 R303.1@-39.751,57.8 -39.766,57.785 v1(-44.577,57.785) -44.577,56.911 C301.2@-44.592,56.896 ccw(c-42.582,56.896) -44.592,56.871 ccw(c-42.582,56.896) -42.607,54.886 ccw(c-42.582,56.896) -42.582,54.886 -32.153,54.886 cw(c-32.153,53.34) CON303.2@-30.607,53.34 ccw(c-30.607,52.735) -31.212,52.735 S301.1@-31.212,49.482 S301.1@-31.212,43.482
  Component Side w0.5: v3(-45.421,64.556) ccw(c-45.171,64.556) -45.171,64.306 -42.501,64.306 ccw(c-42.501,66.167) -40.64,66.167 -40.64,66.512 cw(c-38.1,66.512) -39.896,68.308 -35.415,72.789 ccw(c-37.211,74.585) -34.671,74.585 C308.2@-34.671,75.677 ; U304.2@-37.851,75.692 -35.315,75.692 cw(c-35.315,75.003) -35.025,75.628 cw(c-35.315,75.003) C308.2@-34.828,75.49
  Bottom Layer w0.5: v1(-60.706,60.198) -61.893,60.198 cw(c-61.893,61.678) -63.373,61.678 cw(c-61.932,61.678) -61.932,63.119 -56.27,63.119 ccw(c-56.27,65.287) -56.129,63.124 ccw(c-56.27,65.287) -54.737,63.754 -54.127,64.364 cw(c-52.84,63.076) -52.84,64.897 -52.116,64.897 ccw(c-52.116,66.848) -50.737,65.468 -49.911,66.294 v1(-49.911,66.802) -48.409,65.3 ccw(c-46.612,67.096) -46.612,64.556 v3(-45.421,64.556) ; v1@-60.579,60.198 v1(-60.579,56.769) -60.579,54.569 ccw(c-58.039,54.569) -60.457,53.791 ccw(c-58.039,54.569) -58.819,52.152 ccw(c-58.039,54.569) -58.039,52.029 -57.799,52.029 ccw(c-57.802,52.529) -57.79,52.029 ; -57.663,52.029 ccw(c-57.652,52.529) -57.654,52.029 -57.064,52.029 cw(c-57.066,51.529) -56.897,52 ccw(c-56.642,52.705) -56.327,52.025 cw(c-56.118,51.57) -56.12,52.07 -54.854,52.07 ccw(c-54.854,52.901) -54.837,52.07 ccw(c-54.864,53.908) -54.678,52.079 cw(c-54.626,51.582) -54.621,52.082 ccw(c-54.61,52.832) -54.266,52.166 cw(c-54.037,51.721) -54.215,52.189 ccw(c-54.864,53.908) -54.079,52.246 ccw(c-54.294,52.697) -53.862,52.445 cw(c-53.213,52.07) -53.463,52.777 ccw(c-53.632,53.248) -53.28,52.893 -53.112,53.06 -52.756,53.459 cw(c-52.197,52.959) -52.72,53.497 ; v1@-51.67,51.581 v1(-51.689,51.562) -51.689,51.583 cw(c-51.189,51.581) -51.663,51.739 ccw(c-52.451,52.004) -51.628,51.888 cw(c-51.133,51.817) -51.61,51.968 ccw(c-52.324,52.197) -52.189,52.935 cw(c-52.096,53.426) -52.448,53.071 -52.578,53.201 cw(c-52.223,53.553) -52.72,53.497 ; v1(-44.577,57.785) -47.335,57.785 ccw(c-47.335,55.245) -49.131,57.041 -51.098,55.074 cw(c-53.303,57.277) -51.13,55.042 -52.72,53.497 ; -57.789,52.029 cw(c-57.727,49.855) -57.665,52.029 ; -57.789,52.029 cw(c-57.727,49.855) -57.664,52.029 ; -57.789,52.029 cw(c-57.727,49.855) -57.665,52.029
pads on no net: CON301. CON301.A8 CON301.B8 CON304.0 CON304.6 D301.3 D301.4 FID1.0 FID2.0 FID3.0 FID4.0 S201. S202. S203. S204. S205. S206. S207. S208. S209. S210. S211. S212. S213. S214. S215. S216. S217. S218. S219. S220. S221. S222. S223. S224. S225. S226. S227. S228. S229. S229_1. S230. S231. S232. S233. S234. S235. S236. S237. S238. S239. S240. S241. S242. S243. S244. S245. S246. S247. S248. S249. S250. S251. S252. S253. S254. S256. S257. S258. S259. S259_1. S260. S261. S262. S263. S265. S266. S269. STAB1. STAB2. STAB3. STAB4. STAB5. STAB6.

## Polygon pours and split planes (outlines as drawn)
GND on Bottom Layer "Component Side-No Net" (hatched 45Degree grid 1.397 track 0.203, remove dead copper, pour order 4): -0.635,93.995 -0.635,0.65 -284.607,0.65 -284.607,93.995
GND on Component Side "Component Side-No Net" (hatched 45Degree grid 1.397 track 0.203, remove dead copper, pour order 5): -0.635,93.995 -0.635,0.65 -284.607,0.65 -284.607,93.995

## Other copper
Component Side:
  region net GND: 1746 vertices and 2 holes, not listed, extent -120.551,7.574 -114.639,13.714

## Silkscreen, mask and mechanical layers (free items; w line width, h text height)
Top Overlay:
  text "RST" at -30.353,50.8 h0.75
  text "Waffling: adj. or verb - indecisive; unable to make up one's mind; playing the safe middle ground due to one's own lack of conviction or sense of morality." at -241.427,40.132 h2.9
  text "Waffling60  -D1" at -152.989,4.228 h3
  text "ISO" at -138.811,3.556 h2
Top Solder:
  drawing of 2 lines, arcs and shapes, not listed
outline:
  lines w0.2: -284.861,36.576 -280.67,36.576 ccw(c-280.67,37.719) -279.527,37.719 -279.527,37.795 ccw(c-280.797,37.795) -280.797,39.065 -284.85,39.065 -284.85,92.415 cw(c-282.85,92.415) -282.85,94.415 -275.85,94.415 ccw(c-272.7,95.149) -269.55,94.415 -250.424,94.415 ccw(c-247.274,95.149) -244.124,94.415 -189.05,94.415 ccw(c-185.9,95.149) -182.75,94.415 -131.361,94.415 ccw(c-128.211,95.149) -125.061,94.415 -102.25,94.415 ccw(c-99.1,95.149) -95.95,94.415 -40.874,94.415 ccw(c-37.724,95.149) -34.574,94.415 -13.477,94.415 ccw(c-10.327,95.149) -7.177,94.415 ; -284.85,36.565 -284.85,2.215 ccw(c-282.85,2.215) -282.85,0.215 -275.85,0.215 cw(c-272.7,-0.52) -269.55,0.215 -236.137,0.215 cw(c-232.987,-0.52) -229.838,0.215 -189.05,0.215 cw(c-185.9,-0.52) -182.75,0.215 -102.25,0.215 cw(c-99.1,-0.52) -95.95,0.215 -55.161,0.215 cw(c-52.011,-0.52) -48.861,0.215 -15.45,0.215 cw(c-12.3,-0.52) -9.15,0.215 -2.15,0.215 ccw(c-2.15,2.215) -0.15,2.215 ccw(c-0.15,2.238) -0.127,2.238 -0.127,36.576 -4.191,36.576 cw(c-4.191,37.846) -5.461,37.846 cw(c-4.242,37.846) -4.242,39.065 -0.15,39.065 -0.15,92.415 ccw(c-2.15,92.415) -2.15,94.415 -7.15,94.415
Mechanical 16:
  drawing of 547 lines, arcs and shapes, not listed

## Dimensions
-9.15,0.215 to -2.15,94.415 on bot dimensions
-0.15,92.415 to -284.85,92.415 on bot dimensions
-9.15,0.215 to -7.177,94.415 on top dimensions
-0.15,92.415 to -284.85,92.415 on top dimensions

## Text inside footprints (layer, text, board x,y; h text height)
CON301: Mechanical 15 "connector edge" at -15.25,95.5 h1 r180